# Altium PCB STM32F207VC.PcbDoc (part 5 of 16)
Units mm, origin at the board's own origin, x right, y up, seen from the top; angles counter-clockwise.
Board outline 99.19 x 99.95 mm, 2 copper layers (Top Layer, Bottom Layer); 127 components, 125 nets, 570 pads, 172 vias.
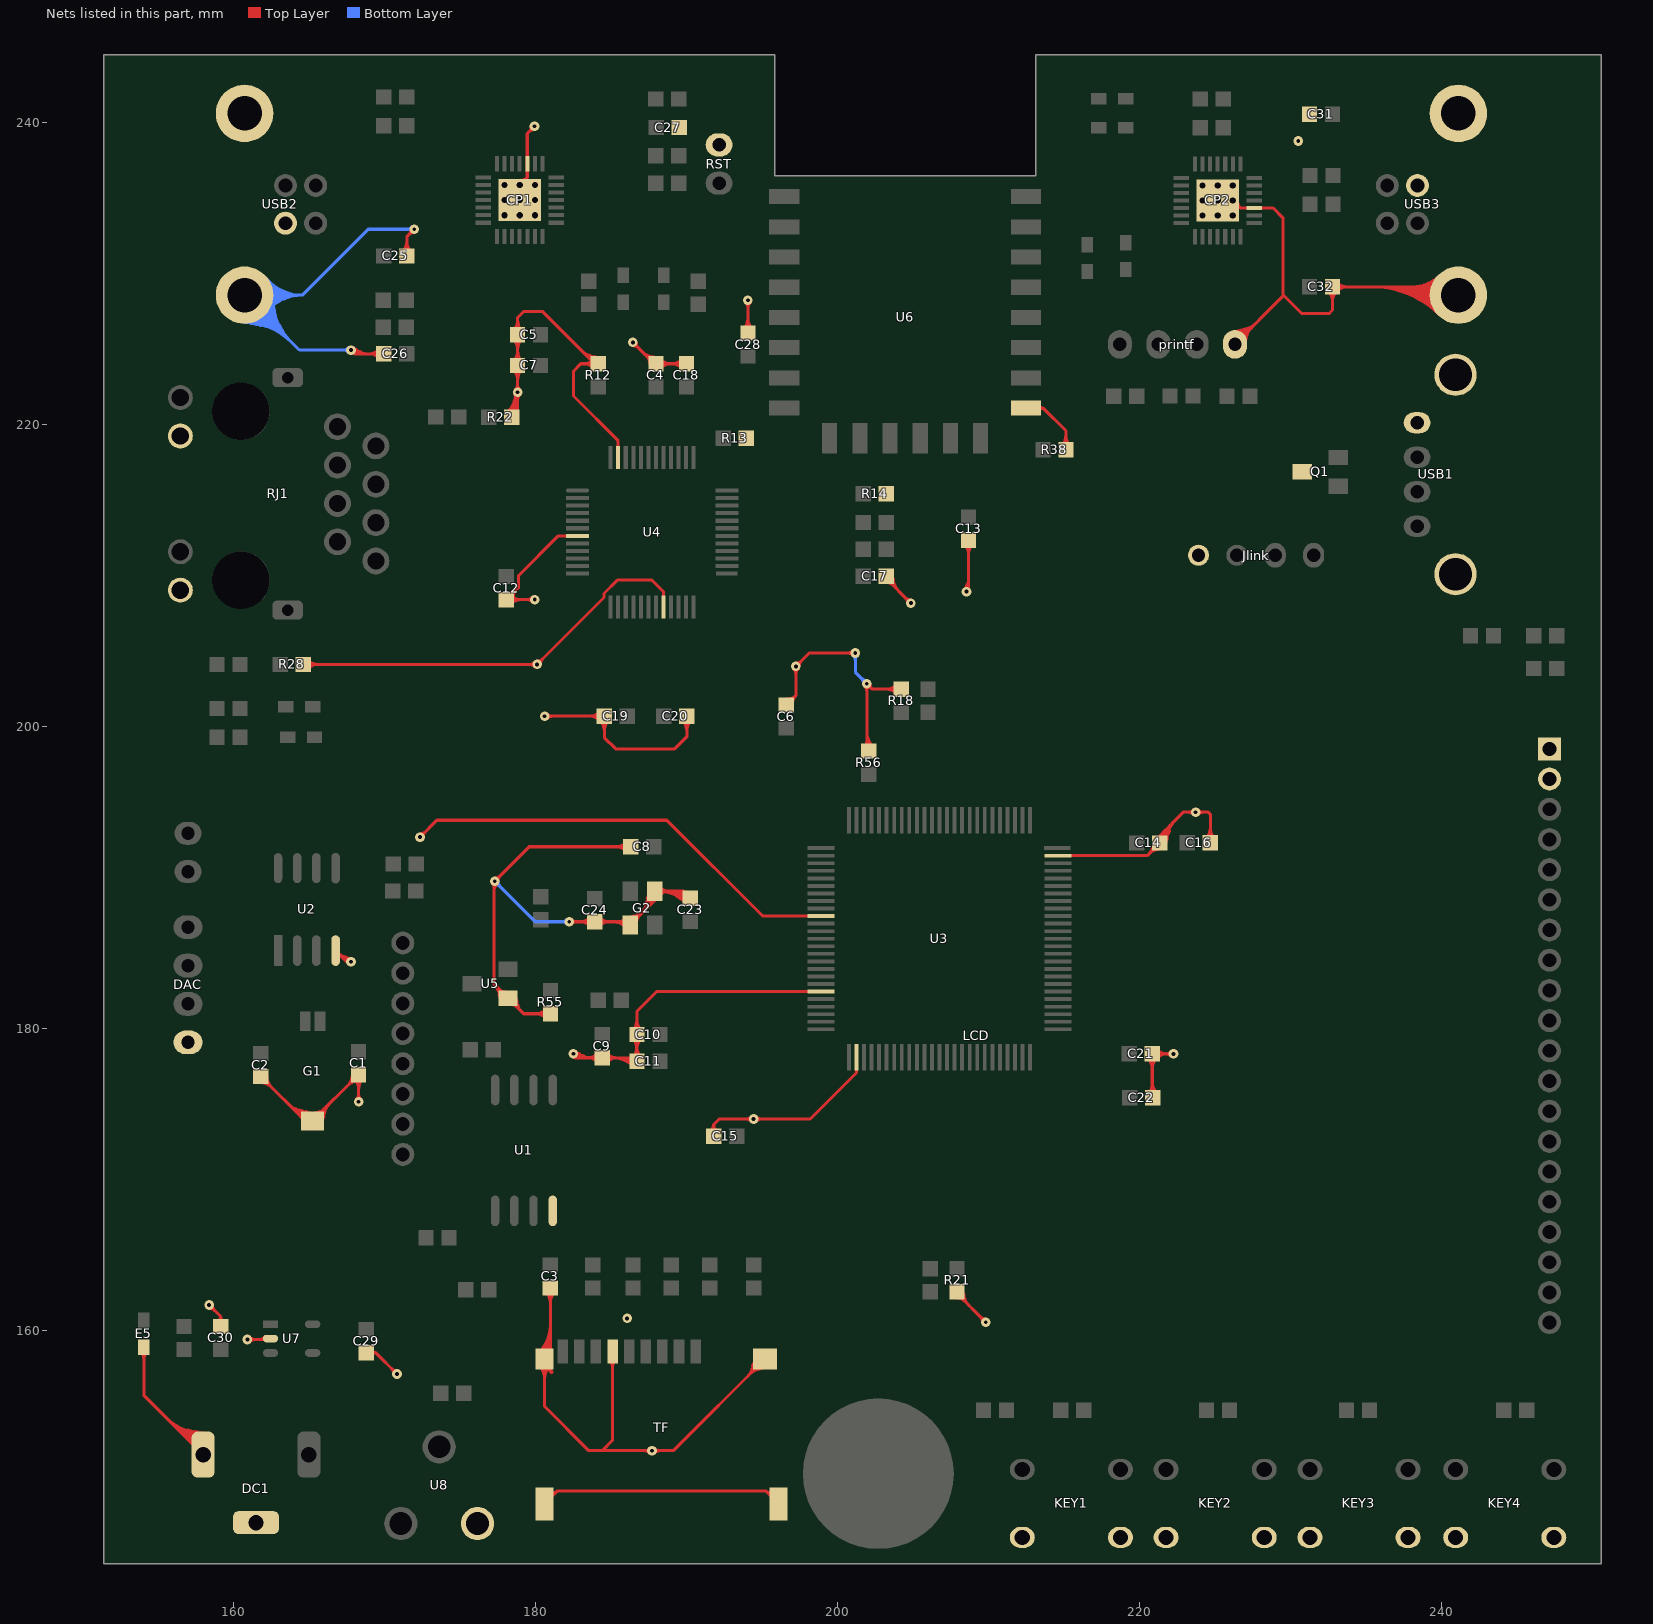
[diagram p5: the nets of this part, all layers, seen from the top]

## Via types
v1: diameter 0.635, hole 0.254, Top Layer to Bottom Layer, tented both sides, 152 vias
v2: diameter 0.635, hole 0.406, Top Layer to Bottom Layer, 18 vias
v3: diameter 1, hole 1, Top Layer to Bottom Layer, 2 vias

## Nets (pads, with @x,y where several pads share a name; then routed paths per layer and width w, separated by ;. In a path a pad name is that pad's centre, name@x,y a point inside that pad or via, vN(x,y) a via of type N, cw(c..) or ccw(c..) an arc to the next point about the centre after c; other vN are vias at no path point) (continued)
GND: (continued)
  Top Layer w0.203: 179.42,208.39 ccw(c179.42,208.911) v1@179.789,208.542 ; 179.42,208.39 cw(c179.42,207.868) v1@179.789,208.237 ; 179.42,208.39 ccw(c179.42,208.911) v1@179.789,208.542 ; 179.42,208.39 ccw(c179.42,208.911) v1@179.789,208.542 ; 179.42,208.39 cw(c179.42,207.868) v1@179.789,208.237 ; 179.42,208.39 ccw(c179.42,208.911) v1@179.789,208.542 ; 179.42,208.39 cw(c179.42,207.868) v1@179.789,208.237 ; 179.554,239.371 cw(c179.923,239.002) v1@179.923,239.524 ; 179.554,239.371 ccw(c179.185,239.74) v1@179.707,239.74 ; 179.554,239.371 cw(c179.923,239.002) v1@179.923,239.524 ; 179.554,239.371 ccw(c179.185,239.74) v1@179.707,239.74 ; 179.554,239.371 ccw(c179.185,239.74) v1@179.707,239.74 ; 179.554,239.371 cw(c179.923,239.002) v1@179.923,239.524 ; 179.554,239.371 ccw(c179.185,239.74) v1@179.707,239.74 ; 179.554,239.371 cw(c179.923,239.002) v1@179.923,239.524 ; 179.571,204.095 cw(c179.571,203.574) v1@179.939,203.942 ; 179.571,204.095 ccw(c179.571,204.616) v1@179.939,204.248 ; 179.571,204.095 cw(c179.571,203.574) v1@179.939,203.942 ; 179.571,204.095 ccw(c179.571,204.616) v1@179.939,204.248 ; 179.571,204.095 ccw(c179.571,204.616) v1@179.939,204.248 ; 179.571,204.095 cw(c179.571,203.574) v1@179.939,203.942 ; 179.571,204.095 ccw(c179.571,204.616) v1@179.939,204.248 ; 179.571,204.095 cw(c179.571,203.574) v1@179.939,203.942 ; 179.629,239.448 cw(c180.003,239.347) v1@179.925,239.727 ; 179.629,239.448 cw(c180.003,239.347) v1@179.925,239.727 ; 179.629,239.448 cw(c180.003,239.347) v1@179.925,239.727 ; 179.629,239.448 cw(c180.003,239.347) v1@179.925,239.727 ; 179.629,239.448 cw(c180.003,239.347) v1@179.925,239.727 ; 179.629,239.448 cw(c180.003,239.347) v1@179.925,239.727 ; 179.631,239.446 ccw(c179.53,239.82) v1@179.91,239.742 ; 179.631,239.446 ccw(c179.53,239.82) v1@179.91,239.742 ; 179.631,239.446 ccw(c179.53,239.82) v1@179.91,239.742 ; 179.631,239.446 ccw(c179.53,239.82) v1@179.91,239.742 ; 179.631,239.446 ccw(c179.53,239.82) v1@179.91,239.742 ; 179.631,239.446 ccw(c179.53,239.82) v1@179.91,239.742 ; 180,180.958 cw(c180,179.976) R55.1@180.694,180.67 ; 180,180.958 ccw(c180,181.939) R55.1@180.694,181.245 ; 180,180.958 cw(c180,179.976) R55.1@180.694,180.67 ; 180,180.958 ccw(c180,181.939) R55.1@180.694,181.245 ; 180,180.958 ccw(c180,181.939) R55.1@180.694,181.245 ; 180,180.958 cw(c180,179.976) R55.1@180.694,180.67 ; 180,180.958 ccw(c180,181.939) R55.1@180.694,181.245 ; 180,180.958 cw(c180,179.976) R55.1@180.694,180.67 ; v1@180.089,204.107 ccw(c180.012,204.487) 180.386,204.387 ; v1@180.089,204.107 ccw(c180.012,204.487) 180.386,204.387 ; v1@180.089,204.107 ccw(c180.012,204.487) 180.386,204.387 ; v1@180.089,204.107 ccw(c180.012,204.487) 180.386,204.387 ; v1@180.089,204.107 ccw(c180.012,204.487) 180.386,204.387 ; v1@180.089,204.107 ccw(c180.012,204.487) 180.386,204.387 ; v1@180.092,204.311 ccw(c180.092,204.832) 180.461,204.464 ; v1@180.092,204.311 ccw(c180.092,204.832) 180.461,204.464 ; v1@180.092,204.311 ccw(c180.092,204.832) 180.461,204.464 ; v1@180.092,204.311 ccw(c180.092,204.832) 180.461,204.464 ; v1@180.104,204.092 cw(c180.484,204.015) 180.384,204.389 ; v1@180.104,204.092 cw(c180.484,204.015) 180.384,204.389 ; v1@180.104,204.092 cw(c180.484,204.015) 180.384,204.389 ; v1@180.104,204.092 cw(c180.484,204.015) 180.384,204.389 ; v1@180.104,204.092 cw(c180.484,204.015) 180.384,204.389 ; v1@180.104,204.092 cw(c180.484,204.015) 180.384,204.389 ; TF.10@180.239,157.641 cw(c179.388,156.79) 180.591,156.79 ; TF.10@180.239,157.641 cw(c179.388,156.79) 180.591,156.79 ; TF.10@180.239,157.641 cw(c179.388,156.79) 180.591,156.79 ; TF.10@180.239,157.641 cw(c179.388,156.79) 180.591,156.79 ; TF.10@180.239,158.545 ccw(c178.475,160.309) 180.969,160.309 ; TF.10@180.239,158.545 ccw(c178.475,160.309) 180.969,160.309 ; TF.10@180.239,158.545 ccw(c178.475,160.309) 180.969,160.309 ; TF.10@180.239,158.545 ccw(c178.475,160.309) 180.969,160.309 ; v1@180.308,204.095 cw(c180.829,204.095) 180.461,204.464 ; v1@180.308,204.095 cw(c180.829,204.095) 180.461,204.464 ; v1@180.308,204.095 cw(c180.829,204.095) 180.461,204.464 ; v1@180.308,204.095 cw(c180.829,204.095) 180.461,204.464 ; TF.10@180.382,157.784 cw(c179.878,157.28) 180.591,157.28 ; TF.10@180.382,157.784 cw(c179.878,157.28) 180.591,157.28 ; TF.10@180.382,157.784 cw(c179.878,157.28) 180.591,157.28 ; TF.10@180.382,157.784 cw(c179.878,157.28) 180.591,157.28 ; TF.10@180.382,158.402 ccw(c178.966,159.818) 180.969,159.818 ; TF.10@180.382,158.402 ccw(c178.966,159.818) 180.969,159.818 ; TF.10@180.382,158.402 ccw(c178.966,159.818) 180.969,159.818 ; TF.10@180.382,158.402 ccw(c178.966,159.818) 180.969,159.818 ; TF.10@180.526,158.258 ccw(c179.456,159.328) 180.969,159.328 ; TF.10@180.526,158.258 ccw(c179.456,159.328) 180.969,159.328 ; TF.10@180.526,158.258 ccw(c179.456,159.328) 180.969,159.328 ; TF.10@180.526,158.258 ccw(c179.456,159.328) 180.969,159.328 ; TF.10@180.564,158.691 ccw(c180.542,159.093) 180.892,158.892 ; TF.10@180.564,158.691 ccw(c180.542,159.093) 180.892,158.892 ; TF.10@180.564,158.691 ccw(c180.542,159.093) 180.892,158.892 ; TF.10@180.564,158.691 ccw(c180.542,159.093) 180.892,158.892 ; TF.10@180.564,158.691 ccw(c180.542,159.093) 180.892,158.892 ; TF.10@180.564,158.691 ccw(c180.542,159.093) 180.892,158.892 ; 180.591,156.79 cw(c181.794,156.79) TF.10@180.943,157.641 ; 180.591,156.79 cw(c181.794,156.79) TF.10@180.943,157.641 ; 180.591,156.79 cw(c181.794,156.79) TF.10@180.943,157.641 ; 180.591,156.79 cw(c181.794,156.79) TF.10@180.943,157.641 ; 180.591,157.28 cw(c181.304,157.28) TF.10@180.8,157.784 ; 180.591,157.28 cw(c181.304,157.28) TF.10@180.8,157.784 ; 180.591,157.28 cw(c181.304,157.28) TF.10@180.8,157.784 ; 180.591,157.28 cw(c181.304,157.28) TF.10@180.8,157.784 ; TF.10@180.67,158.114 ccw(c179.947,158.837) 180.969,158.837 ; TF.10@180.67,158.114 ccw(c179.947,158.837) 180.969,158.837 ; TF.10@180.67,158.114 ccw(c179.947,158.837) 180.969,158.837 ; TF.10@180.67,158.114 ccw(c179.947,158.837) 180.969,158.837 ; C3.2@180.682,162.509 cw(c179.988,161.815) 180.969,161.815 ; C3.2@180.682,162.509 cw(c179.988,161.815) 180.969,161.815 ; C3.2@180.682,162.509 cw(c179.988,161.815) 180.969,161.815 ; C3.2@180.682,162.509 cw(c179.988,161.815) 180.969,161.815 ; 180.695,158.944 ccw(c181.06,158.734) TF.10@180.784,158.416 ; 180.695,158.944 ccw(c181.06,158.734) TF.10@180.784,158.416 ; 180.695,158.944 ccw(c181.06,158.734) TF.10@180.784,158.416 ; 180.695,158.944 ccw(c181.06,158.734) TF.10@180.784,158.416 ; 180.695,158.944 ccw(c181.06,158.734) TF.10@180.784,158.416 ; 180.695,158.944 ccw(c181.06,158.734) TF.10@180.784,158.416 ; v1@180.747,200.507 cw(c181.13,200.124) 181.13,200.666 ; v1@180.747,200.507 cw(c181.13,200.124) 181.13,200.666 ; v1@180.747,200.507 cw(c181.13,200.124) 181.13,200.666 ; v1@180.747,200.507 cw(c181.13,200.124) 181.13,200.666 ; v1@180.747,200.813 ccw(c181.101,201.167) 181.101,200.666 ; v1@180.747,200.813 ccw(c181.101,201.167) 181.101,200.666 ; v1@180.747,200.813 ccw(c181.101,201.167) 181.101,200.666 ; v1@180.747,200.813 ccw(c181.101,201.167) 181.101,200.666 ; TF.11@180.797,149.204 ccw(c181.05,149.462) 181.305,149.207 ; TF.11@180.797,149.204 ccw(c181.05,149.462) 181.305,149.207 ; TF.11@180.797,149.204 ccw(c181.05,149.462) 181.305,149.207 ; TF.11@180.797,149.204 ccw(c181.05,149.462) 181.305,149.207 ; 180.818,159.157 ccw(c181.224,158.923) TF.10@180.917,158.57 ; 180.818,159.157 ccw(c181.224,158.923) TF.10@180.917,158.57 ; 180.818,159.157 ccw(c181.224,158.923) TF.10@180.917,158.57 ; 180.818,159.157 ccw(c181.224,158.923) TF.10@180.917,158.57 ; 180.818,159.157 ccw(c181.224,158.923) TF.10@180.917,158.57 ; 180.818,159.157 ccw(c181.224,158.923) TF.10@180.917,158.57 ; 180.892,158.892 ccw(c181.135,158.751) TF.10@180.939,158.55 ; 180.892,158.892 ccw(c181.135,158.751) TF.10@180.939,158.55 ; 180.892,158.892 ccw(c181.135,158.751) TF.10@180.939,158.55 ; 180.892,158.892 ccw(c181.135,158.751) TF.10@180.939,158.55 ; 180.892,158.892 ccw(c181.135,158.751) TF.10@180.939,158.55 ; 180.892,158.892 ccw(c181.135,158.751) TF.10@180.939,158.55 ; TF.11@180.94,149.349 ccw(c181.193,149.609) 181.45,149.352 ; TF.11@180.94,149.349 ccw(c181.193,149.609) 181.45,149.352 ; TF.11@180.94,149.349 ccw(c181.193,149.609) 181.45,149.352 ; TF.11@180.94,149.349 ccw(c181.193,149.609) 181.45,149.352 ; 180.969,161.815 cw(c181.95,161.815) C3.2@181.256,162.509 ; 180.969,161.815 cw(c181.95,161.815) C3.2@181.256,162.509 ; 180.969,161.815 cw(c181.95,161.815) C3.2@181.256,162.509 ; 180.969,161.815 cw(c181.95,161.815) C3.2@181.256,162.509 ; 181.45,149.352 195.232,149.352 ; v1@182.364,178.173 ccw(c182.694,178.503) 182.694,178.037 ; v1@182.364,178.173 ccw(c182.694,178.503) 182.694,178.037 ; v1@182.364,178.173 ccw(c182.694,178.503) 182.694,178.037 ; v1@182.364,178.173 ccw(c182.694,178.503) 182.694,178.037 ; v1@182.38,186.901 cw(c182.749,186.532) 182.749,187.054 ; v1@182.38,186.901 cw(c182.749,186.532) 182.749,187.054 ; v1@182.38,186.901 cw(c182.749,186.532) 182.749,187.054 ; v1@182.38,186.901 cw(c182.749,186.532) 182.749,187.054 ; v1@182.38,187.206 ccw(c182.749,187.575) 182.749,187.054 ; v1@182.38,187.206 ccw(c182.749,187.575) 182.749,187.054 ; v1@182.38,187.206 ccw(c182.749,187.575) 182.749,187.054 ; v1@182.38,187.206 ccw(c182.749,187.575) 182.749,187.054 ; v1@182.506,178.297 cw(c182.719,177.976) 182.912,178.31 ; v1@182.506,178.297 cw(c182.719,177.976) 182.912,178.31 ; v1@182.506,178.297 cw(c182.719,177.976) 182.912,178.31 ; v1@182.506,178.297 cw(c182.719,177.976) 182.912,178.31 ; v1@182.506,178.297 cw(c182.719,177.976) 182.912,178.31 ; v1@182.506,178.297 cw(c182.719,177.976) 182.912,178.31 ; v1@182.508,178.317 ccw(c183.185,178.994) 183.185,178.037 ; v1@182.508,178.317 ccw(c183.185,178.994) 183.185,178.037 ; v1@182.508,178.317 ccw(c183.185,178.994) 183.185,178.037 ; v1@182.508,178.317 ccw(c183.185,178.994) 183.185,178.037 ; v1@182.55,178.098 cw(c182.606,177.872) 182.77,178.037 ; v1@182.55,178.098 cw(c182.606,177.872) 182.77,178.037 ; v1@182.55,178.098 cw(c182.606,177.872) 182.77,178.037 ; v1@182.55,178.098 cw(c182.606,177.872) 182.77,178.037 ; v1@182.572,178.105 cw(c182.717,177.702) 182.931,178.073 ; v1@182.572,178.105 cw(c182.717,177.702) 182.931,178.073 ; v1@182.572,178.105 cw(c182.717,177.702) 182.931,178.073 ; v1@182.572,178.105 cw(c182.717,177.702) 182.931,178.073 ; v1@182.572,178.105 cw(c182.717,177.702) 182.931,178.073 ; v1@182.572,178.105 cw(c182.717,177.702) 182.931,178.073 ; v1@182.618,178.128 cw(c182.922,177.671) 183.196,178.146 ; v1@182.618,178.128 cw(c182.922,177.671) 183.196,178.146 ; v1@182.618,178.128 cw(c182.922,177.671) 183.196,178.146 ; v1@182.618,178.128 cw(c182.922,177.671) 183.196,178.146 ; v1@182.618,178.128 cw(c182.922,177.671) 183.196,178.146 ; v1@182.618,178.128 cw(c182.922,177.671) 183.196,178.146 ; v1@182.652,178.461 ccw(c183.675,179.484) 183.675,178.037 ; v1@182.652,178.461 ccw(c183.675,179.484) 183.675,178.037 ; v1@182.652,178.461 ccw(c183.675,179.484) 183.675,178.037 ; v1@182.652,178.461 ccw(c183.675,179.484) 183.675,178.037 ; v1@182.708,178.364 ccw(c183.171,178.488) 182.931,178.073 ; v1@182.708,178.364 ccw(c183.171,178.488) 182.931,178.073 ; v1@182.708,178.364 ccw(c183.171,178.488) 182.931,178.073 ; v1@182.708,178.364 ccw(c183.171,178.488) 182.931,178.073 ; v1@182.708,178.364 ccw(c183.171,178.488) 182.931,178.073 ; v1@182.708,178.364 ccw(c183.171,178.488) 182.931,178.073 ; v1@182.709,178.257 ccw(c182.935,178.201) 182.77,178.037 ; v1@182.709,178.257 ccw(c182.935,178.201) 182.77,178.037 ; v1@182.709,178.257 ccw(c182.935,178.201) 182.77,178.037 ; v1@182.709,178.257 ccw(c182.935,178.201) 182.77,178.037 ; 182.77,178.037 C9.1@184.41,178.037 186.477,178.037 C11.2@186.707,177.806 ; 182.921,187.054 cw(c182.921,186.072) C24.1@183.615,186.766 ; 182.921,187.054 ccw(c182.921,188.035) C24.1@183.615,187.341 ; 182.921,187.054 cw(c182.921,186.072) C24.1@183.615,186.766 ; 182.921,187.054 ccw(c182.921,188.035) C24.1@183.615,187.341 ; 182.921,187.054 ccw(c182.921,188.035) C24.1@183.615,187.341 ; 182.921,187.054 cw(c182.921,186.072) C24.1@183.615,186.766 ; 182.921,187.054 ccw(c182.921,188.035) C24.1@183.615,187.341 ; 182.921,187.054 cw(c182.921,186.072) C24.1@183.615,186.766 ; 183.056,224.868 ccw(c184.144,225.955) R12.1@184.144,224.417 ; 183.056,224.868 ccw(c184.144,225.955) R12.1@184.144,224.417 ; 183.056,224.868 ccw(c184.144,225.955) R12.1@184.144,224.417 ; 183.056,224.868 ccw(c184.144,225.955) R12.1@184.144,224.417 ; 183.163,224.011 cw(c183.163,223.029) R12.1@183.857,223.723 ; 183.163,224.011 ccw(c183.163,224.992) R12.1@183.857,224.298 ; 183.163,224.011 cw(c183.163,223.029) R12.1@183.857,223.723 ; 183.163,224.011 ccw(c183.163,224.992) R12.1@183.857,224.298 ; 183.163,224.011 ccw(c183.163,224.992) R12.1@183.857,224.298 ; 183.163,224.011 cw(c183.163,223.029) R12.1@183.857,223.723 ; 183.163,224.011 ccw(c183.163,224.992) R12.1@183.857,224.298 ; 183.163,224.011 cw(c183.163,223.029) R12.1@183.857,223.723 ; 183.403,224.521 ccw(c184.144,225.261) R12.1@184.144,224.214 ; 183.403,224.521 ccw(c184.144,225.261) R12.1@184.144,224.214 ; 183.403,224.521 ccw(c184.144,225.261) R12.1@184.144,224.214 ; 183.403,224.521 ccw(c184.144,225.261) R12.1@184.144,224.214 ; 183.429,178.037 cw(c183.429,177.055) C9.1@184.123,177.749 ; 183.429,178.037 ccw(c183.429,179.018) C9.1@184.123,178.324 ; 183.429,178.037 cw(c183.429,177.055) C9.1@184.123,177.749 ; 183.429,178.037 ccw(c183.429,179.018) C9.1@184.123,178.324 ; 183.429,178.037 ccw(c183.429,179.018) C9.1@184.123,178.324 ; 183.429,178.037 cw(c183.429,177.055) C9.1@184.123,177.749 ; 183.429,178.037 ccw(c183.429,179.018) C9.1@184.123,178.324 ; 183.429,178.037 cw(c183.429,177.055) C9.1@184.123,177.749 ; 183.495,224.591 cw(c183.245,223.659) R12.1@184.144,224.011 ; 183.495,224.591 cw(c183.245,223.659) R12.1@184.144,224.011 ; 183.495,224.591 cw(c183.245,223.659) R12.1@184.144,224.011 ; 183.495,224.591 cw(c183.245,223.659) R12.1@184.144,224.011 ; 183.495,224.591 cw(c183.245,223.659) R12.1@184.144,224.011 ; 183.495,224.591 cw(c183.245,223.659) R12.1@184.144,224.011 ; 183.567,200.666 cw(c183.567,199.685) C19.2@184.261,200.379 ; 183.567,200.666 ccw(c183.567,201.647) C19.2@184.261,200.953 ; 183.567,200.666 cw(c183.567,199.685) C19.2@184.261,200.379 ; 183.567,200.666 ccw(c183.567,201.647) C19.2@184.261,200.953 ; 183.567,200.666 ccw(c183.567,201.647) C19.2@184.261,200.953 ; 183.567,200.666 cw(c183.567,199.685) C19.2@184.261,200.379 ; 183.567,200.666 ccw(c183.567,201.647) C19.2@184.261,200.953 ; 183.567,200.666 cw(c183.567,199.685) C19.2@184.261,200.379 ; 183.596,224.361 cw(c183.473,223.9) R12.1@183.944,223.978 ; 183.596,224.361 cw(c183.473,223.9) R12.1@183.944,223.978 ; 183.596,224.361 cw(c183.473,223.9) R12.1@183.944,223.978 ; 183.596,224.361 cw(c183.473,223.9) R12.1@183.944,223.978 ; 183.596,224.361 cw(c183.473,223.9) R12.1@183.944,223.978 ; 183.596,224.361 cw(c183.473,223.9) R12.1@183.944,223.978 ; 183.613,224.311 cw(c183.313,224.011) R12.1@183.738,224.011 ; 183.613,224.311 cw(c183.313,224.011) R12.1@183.738,224.011 ; 183.613,224.311 cw(c183.313,224.011) R12.1@183.738,224.011 ; 183.613,224.311 cw(c183.313,224.011) R12.1@183.738,224.011 ; R12.1@183.705,224.332 ccw(c183.785,224.632) R12.1@183.941,224.363 ; R12.1@183.705,224.332 ccw(c183.785,224.632) R12.1@183.941,224.363 ; R12.1@183.705,224.332 ccw(c183.785,224.632) R12.1@183.941,224.363 ; R12.1@183.705,224.332 ccw(c183.785,224.632) R12.1@183.941,224.363 ; R12.1@183.705,224.332 ccw(c183.785,224.632) R12.1@183.941,224.363 ; R12.1@183.705,224.332 ccw(c183.785,224.632) R12.1@183.941,224.363 ; R12.1@183.884,224.487 cw(c183.711,223.841) R12.1@184.333,224.085 ; R12.1@183.884,224.487 cw(c183.711,223.841) R12.1@184.333,224.085 ; R12.1@183.884,224.487 cw(c183.711,223.841) R12.1@184.333,224.085 ; R12.1@183.884,224.487 cw(c183.711,223.841) R12.1@184.333,224.085 ; R12.1@183.884,224.487 cw(c183.711,223.841) R12.1@184.333,224.085 ; R12.1@183.884,224.487 cw(c183.711,223.841) R12.1@184.333,224.085 ; R12.1@183.913,224.011 R12.1@184.144,224.011 ; C24.1@184.189,186.766 cw(c184.883,186.072) 184.883,187.054 ; C24.1@184.189,186.766 cw(c184.883,186.072) 184.883,187.054 ; C24.1@184.189,186.766 cw(c184.883,186.072) 184.883,187.054 ; C24.1@184.189,186.766 cw(c184.883,186.072) 184.883,187.054 ; C24.1@184.189,187.341 ccw(c184.883,188.035) 184.883,187.054 ; C24.1@184.189,187.341 ccw(c184.883,188.035) 184.883,187.054 ; C24.1@184.189,187.341 ccw(c184.883,188.035) 184.883,187.054 ; C24.1@184.189,187.341 ccw(c184.883,188.035) 184.883,187.054 ; C19.2@184.261,200.379 cw(c183.567,199.685) 184.548,199.685 ; C19.2@184.261,200.379 cw(c183.567,199.685) 184.548,199.685 ; C19.2@184.261,200.379 cw(c183.567,199.685) 184.548,199.685 ; C19.2@184.261,200.379 cw(c183.567,199.685) 184.548,199.685 ; 184.548,199.685 cw(c185.53,199.685) C19.2@184.836,200.379 ; 184.548,199.685 cw(c185.53,199.685) C19.2@184.836,200.379 ; 184.548,199.685 cw(c185.53,199.685) C19.2@184.836,200.379 ; 184.548,199.685 cw(c185.53,199.685) C19.2@184.836,200.379 ; C9.1@184.697,177.749 cw(c185.391,177.055) 185.391,178.037 ; C9.1@184.697,177.749 cw(c185.391,177.055) 185.391,178.037 ; C9.1@184.697,177.749 cw(c185.391,177.055) 185.391,178.037 ; C9.1@184.697,177.749 cw(c185.391,177.055) 185.391,178.037 ; C9.1@184.697,178.324 ccw(c185.391,179.018) 185.391,178.037 ; C9.1@184.697,178.324 ccw(c185.391,179.018) 185.391,178.037 ; C9.1@184.697,178.324 ccw(c185.391,179.018) 185.391,178.037 ; C9.1@184.697,178.324 ccw(c185.391,179.018) 185.391,178.037 ; TF.6@184.915,157.967 cw(c184.491,157.543) 185.091,157.543 ; TF.6@184.915,157.967 cw(c184.491,157.543) 185.091,157.543 ; TF.6@184.915,157.967 cw(c184.491,157.543) 185.091,157.543 ; TF.6@184.915,157.967 cw(c184.491,157.543) 185.091,157.543 ; 185.074,187.054 cw(c185.074,185.785) G2.2@185.971,186.682 ; 185.074,187.054 cw(c185.074,185.785) G2.2@185.971,186.682 ; 185.074,187.054 cw(c185.074,185.785) G2.2@185.971,186.682 ; 185.074,187.054 cw(c185.074,185.785) G2.2@185.971,186.682 ; 185.091,157.543 cw(c185.691,157.543) TF.6@185.267,157.967 ; 185.091,157.543 cw(c185.691,157.543) TF.6@185.267,157.967 ; 185.091,157.543 cw(c185.691,157.543) TF.6@185.267,157.967 ; 185.091,157.543 cw(c185.691,157.543) TF.6@185.267,157.967 ; 185.169,178.037 cw(c185.169,176.268) C11.2@186.42,177.519 ; 185.169,178.037 cw(c185.169,176.268) C11.2@186.42,177.519 ; 185.169,178.037 cw(c185.169,176.268) C11.2@186.42,177.519 ; 185.169,178.037 cw(c185.169,176.268) C11.2@186.42,177.519 ; 185.31,192.018 cw(c185.31,191.037) C8.1@186.004,191.731 ; 185.31,192.018 ccw(c185.31,192.999) C8.1@186.004,192.305 ; 185.31,192.018 cw(c185.31,191.037) C8.1@186.004,191.731 ; 185.31,192.018 ccw(c185.31,192.999) C8.1@186.004,192.305 ; 185.31,192.018 ccw(c185.31,192.999) C8.1@186.004,192.305 ; 185.31,192.018 cw(c185.31,191.037) C8.1@186.004,191.731 ; 185.31,192.018 ccw(c185.31,192.999) C8.1@186.004,192.305 ; 185.31,192.018 cw(c185.31,191.037) C8.1@186.004,191.731 ; 185.48,187.054 ccw(c185.48,187.747) G2.2@185.971,187.257 ; 185.48,187.054 ccw(c185.48,187.747) G2.2@185.971,187.257 ; 185.48,187.054 ccw(c185.48,187.747) G2.2@185.971,187.257 ; 185.48,187.054 ccw(c185.48,187.747) G2.2@185.971,187.257 ; 185.564,187.054 cw(c185.564,186.276) G2.2@186.115,186.826 ; 185.564,187.054 cw(c185.564,186.276) G2.2@186.115,186.826 ; 185.564,187.054 cw(c185.564,186.276) G2.2@186.115,186.826 ; 185.564,187.054 cw(c185.564,186.276) G2.2@186.115,186.826 ; 185.66,178.037 cw(c185.66,176.758) C11.2@186.564,177.662 ; 185.66,178.037 cw(c185.66,176.758) C11.2@186.564,177.662 ; 185.66,178.037 cw(c185.66,176.758) C11.2@186.564,177.662 ; 185.66,178.037 cw(c185.66,176.758) C11.2@186.564,177.662 ; G2.2@186.064,187.03 cw(c186.647,186.848) G2.2@186.489,187.438 ; G2.2@186.064,187.03 cw(c186.647,186.848) G2.2@186.489,187.438 ; G2.2@186.064,187.03 cw(c186.647,186.848) G2.2@186.489,187.438 ; G2.2@186.064,187.03 cw(c186.647,186.848) G2.2@186.489,187.438 ; G2.2@186.064,187.03 cw(c186.647,186.848) G2.2@186.489,187.438 ; G2.2@186.064,187.03 cw(c186.647,186.848) G2.2@186.489,187.438 ; 186.15,178.037 cw(c186.15,177.249) C11.2@186.707,177.806 ; 186.15,178.037 cw(c186.15,177.249) C11.2@186.707,177.806 ; 186.15,178.037 cw(c186.15,177.249) C11.2@186.707,177.806 ; 186.15,178.037 